# EAGLE board Mk4 Final Panel 6up 3x2 (EAGLE 9.0.1), part 4 of 18 (continued)
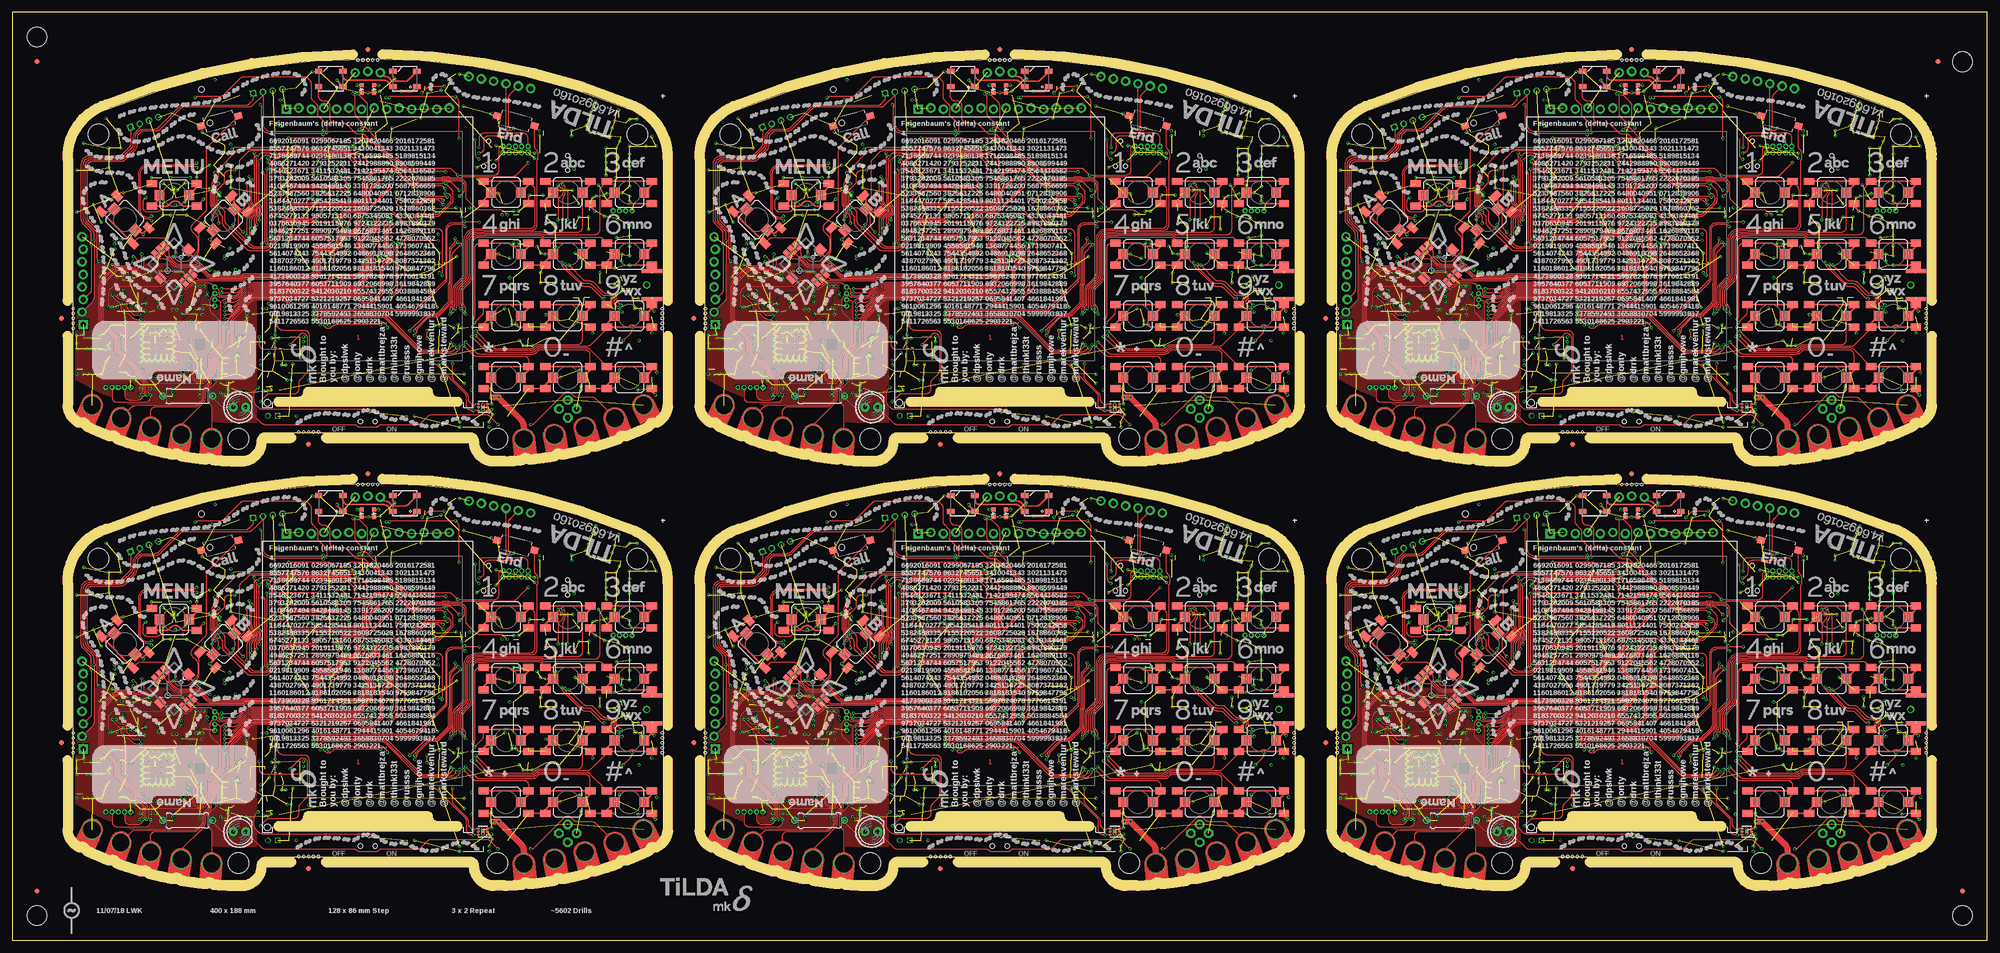
[diagram p0: board, top side]
## Nets (continued)
SDRAM_CKE3: IC55.37 IC56.104
SDRAM_CKE4: IC73.37 IC74.104
SDRAM_CKE6: IC109.37 IC110.104
SDRAM_CLK: IC1.62 IC2.38
SDRAM_CLK1: IC19.38 IC20.62
SDRAM_CLK2: IC37.38 IC38.62
SDRAM_CLK3: IC55.38 IC56.62
SDRAM_CLK4: IC73.38 IC74.62
SDRAM_CLK6: IC109.38 IC110.62
SDRAM_D1: IC19.53 IC20.78
SDRAM_D2: IC37.53 IC38.78
SDRAM_D3: IC55.53 IC56.78
SDRAM_D4: IC73.53 IC74.78
SDRAM_D6: IC109.53 IC110.78
SDRAM_D15: IC1.78 IC2.53
SDRAM_DQMH: IC1.82 IC2.39
SDRAM_DQMH1: IC19.39 IC20.82
SDRAM_DQMH2: IC37.39 IC38.82
SDRAM_DQMH3: IC55.39 IC56.82
SDRAM_DQMH4: IC73.39 IC74.82
SDRAM_DQMH6: IC109.39 IC110.82
SDRAM_DQML: IC1.81 IC2.15
SDRAM_DQML1: IC19.15 IC20.81
SDRAM_DQML2: IC37.15 IC38.81
SDRAM_DQML3: IC55.15 IC56.81
SDRAM_DQML4: IC73.15 IC74.81
SDRAM_DQML6: IC109.15 IC110.81
SIM_CLK: IC10.2 J1.C3 R27.2
SIM_CLK1: IC25.2 J14.C3 R109.2
SIM_CLK2: IC43.2 J24.C3 R187.2
SIM_CLK3: IC61.2 J34.C3 R265.2
SIM_CLK4: IC79.2 J44.C3 R343.2
SIM_CLK6: IC115.2 J64.C3 R499.2
SIM_CLK_R: C49.2 IC5.16 R27.1
SIM_CLK_R1: C156.2 IC21.16 R109.1
SIM_CLK_R2: C264.2 IC39.16 R187.1
SIM_CLK_R3: C372.2 IC57.16 R265.1
SIM_CLK_R4: C480.2 IC75.16 R343.1
SIM_CLK_R6: C696.2 IC111.16 R499.1
SIM_CTS: R34.1 TP4.TP
SIM_CTS1: R117.1 TP23.TP
SIM_CTS2: R195.1 TP42.TP
SIM_CTS3: R273.1 TP61.TP
SIM_CTS4: R351.1 TP80.TP
SIM_CTS6: R507.1 TP118.TP
SIM_CTS_R: IC5.4 R34.2
SIM_CTS_R1: IC21.4 R117.2
SIM_CTS_R2: IC39.4 R195.2
SIM_CTS_R3: IC57.4 R273.2
SIM_CTS_R4: IC75.4 R351.2
SIM_CTS_R6: IC111.4 R507.2
SIM_D_N [90R Diff]: IC5.26 JP9.2
SIM_D_N1 [90R Diff]: IC21.26 JP14.2
SIM_D_N2 [90R Diff]: IC39.26 JP23.2
SIM_D_N3 [90R Diff]: IC57.26 JP32.2
SIM_D_N4 [90R Diff]: IC75.26 JP41.2
SIM_D_N6 [90R Diff]: IC111.26 JP59.2
SIM_D_P [90R Diff]: IC5.25 JP9.3
SIM_D_P1 [90R Diff]: IC21.25 JP14.3
SIM_D_P2 [90R Diff]: IC39.25 JP23.3
SIM_D_P3 [90R Diff]: IC57.25 JP32.3
SIM_D_P4 [90R Diff]: IC75.25 JP41.3
SIM_D_P6 [90R Diff]: IC111.25 JP59.3
SIM_DATA: IC10.1 J1.C7 R26.2
SIM_DATA1: IC25.1 J14.C7 R108.2
SIM_DATA2: IC43.1 J24.C7 R186.2
SIM_DATA3: IC61.1 J34.C7 R264.2
SIM_DATA4: IC79.1 J44.C7 R342.2
SIM_DATA6: IC115.1 J64.C7 R498.2
SIM_DATA_R: C50.2 IC5.15 R26.1
SIM_DATA_R1: C157.2 IC21.15 R108.1
SIM_DATA_R2: C265.2 IC39.15 R186.1
SIM_DATA_R3: C373.2 IC57.15 R264.1
SIM_DATA_R4: C481.2 IC75.15 R342.1
SIM_DATA_R6: C697.2 IC111.15 R498.1
SIM_DCD: R33.1 TP3.TP
SIM_DCD1: R116.1 TP22.TP
SIM_DCD2: R194.1 TP41.TP
SIM_DCD3: R272.1 TP60.TP
SIM_DCD4: R350.1 TP79.TP
SIM_DCD6: R506.1 TP117.TP
SIM_DCD_R: IC5.5 R33.2
SIM_DCD_R1: IC21.5 R116.2
SIM_DCD_R2: IC39.5 R194.2
SIM_DCD_R3: IC57.5 R272.2
SIM_DCD_R4: IC75.5 R350.2
SIM_DCD_R6: IC111.5 R506.2
SIM_DET: IC5.14 J1.C8 R29.2
SIM_DET1: IC21.14 J14.C8 R111.2
SIM_DET2: IC39.14 J24.C8 R189.2
SIM_DET3: IC57.14 J34.C8 R267.2
SIM_DET4: IC75.14 J44.C8 R345.2
SIM_DET6: IC111.14 J64.C8 R501.2
SIM_DTR: R31.1 TP2.TP
SIM_DTR1: R113.1 TP21.TP
SIM_DTR2: R191.1 TP40.TP
SIM_DTR3: R269.1 TP59.TP
SIM_DTR4: R347.1 TP78.TP
SIM_DTR6: R503.1 TP116.TP
SIM_DTR_R: IC5.6 R31.2 R40.1
SIM_DTR_R1: IC21.6 R113.2 R122.1
SIM_DTR_R2: IC39.6 R191.2 R200.1
SIM_DTR_R3: IC57.6 R269.2 R278.1
SIM_DTR_R4: IC75.6 R347.2 R356.1
SIM_DTR_R6: IC111.6 R503.2 R512.1
SIM_NETLIGHT: IC1.108 R42.1 TP12.TP
SIM_NETLIGHT1: IC20.108 R124.1 TP31.TP
SIM_NETLIGHT2: IC38.108 R202.1 TP50.TP
SIM_NETLIGHT3: IC56.108 R280.1 TP69.TP
SIM_NETLIGHT4: IC74.108 R358.1 TP88.TP
SIM_NETLIGHT6: IC110.108 R514.1 TP126.TP
SIM_PWR_KEY: IC1.109 Q1.1 R30.1 TP13.TP
SIM_PWR_KEY1: IC20.109 Q6.1 R112.1 TP32.TP
SIM_PWR_KEY2: IC38.109 Q11.1 R190.1 TP51.TP
SIM_PWR_KEY3: IC56.109 Q15.1 R268.1 TP70.TP
SIM_PWR_KEY4: IC74.109 Q19.1 R346.1 TP89.TP
SIM_PWR_KEY6: IC110.109 Q27.1 R502.1 TP127.TP
SIM_RI: IC1.112 R32.1 TP10.TP
SIM_RI1: IC20.112 R115.1 TP29.TP
SIM_RI2: IC38.112 R193.1 TP48.TP
SIM_RI3: IC56.112 R271.1 TP67.TP
SIM_RI4: IC74.112 R349.1 TP86.TP
SIM_RI6: IC110.112 R505.1 TP124.TP
SIM_RI_R: IC5.7 R32.2
SIM_RI_R1: IC21.7 R115.2
SIM_RI_R2: IC39.7 R193.2
SIM_RI_R3: IC57.7 R271.2
SIM_RI_R4: IC75.7 R349.2
SIM_RI_R6: IC111.7 R505.2
SIM_RST: IC10.4 J1.C2 R28.2
SIM_RST1: IC25.4 J14.C2 R110.2
SIM_RST2: IC43.4 J24.C2 R188.2
SIM_RST3: IC61.4 J34.C2 R266.2
SIM_RST4: IC79.4 J44.C2 R344.2
SIM_RST6: IC115.4 J64.C2 R500.2
SIM_RST_R: C48.2 IC5.17 R28.1
SIM_RST_R1: C155.2 IC21.17 R110.1
SIM_RST_R2: C263.2 IC39.17 R188.1
SIM_RST_R3: C371.2 IC57.17 R266.1
SIM_RST_R4: C479.2 IC75.17 R344.1
SIM_RST_R6: C695.2 IC111.17 R500.1
SIM_RTS: R35.1 TP5.TP
SIM_RTS1: R118.1 TP24.TP
SIM_RTS2: R196.1 TP43.TP
SIM_RTS3: R274.1 TP62.TP
SIM_RTS4: R352.1 TP81.TP
SIM_RTS6: R508.1 TP119.TP
SIM_RTS_R: IC5.3 R35.2 R39.1
SIM_RTS_R1: IC21.3 R118.2 R121.1
SIM_RTS_R2: IC39.3 R196.2 R199.1
SIM_RTS_R3: IC57.3 R274.2 R277.1
SIM_RTS_R4: IC75.3 R352.2 R355.1
SIM_RTS_R6: IC111.3 R508.2 R511.1
SIM_RXD_R: IC5.2 R37.2 R38.1
SIM_RXD_R1: IC21.2 R114.1 R120.2
SIM_RXD_R2: IC39.2 R192.1 R198.2
SIM_RXD_R3: IC57.2 R270.1 R276.2
SIM_RXD_R4: IC75.2 R348.1 R354.2
SIM_RXD_R6: IC111.2 R504.1 R510.2
SIM_STATUS: IC1.107 R41.1 TP11.TP
SIM_STATUS1: IC20.107 R123.1 TP30.TP
SIM_STATUS2: IC38.107 R201.1 TP49.TP
SIM_STATUS3: IC56.107 R279.1 TP68.TP
SIM_STATUS4: IC74.107 R357.1 TP87.TP
SIM_STATUS6: IC110.107 R513.1 TP125.TP
SIM_STATUS_R: IC5.42 R41.2
SIM_STATUS_R1: IC21.42 R123.2
SIM_STATUS_R2: IC39.42 R201.2
SIM_STATUS_R3: IC57.42 R279.2
SIM_STATUS_R4: IC75.42 R357.2
SIM_STATUS_R6: IC111.42 R513.2
SIM_TXD_R: IC5.1 R36.2
SIM_TXD_R1: IC21.1 R119.2
SIM_TXD_R2: IC39.1 R197.2
SIM_TXD_R3: IC57.1 R275.2
SIM_TXD_R4: IC75.1 R353.2
SIM_TXD_R6: IC111.1 R509.2
SIM_VBUS: IC5.24 JP9.4
SIM_VBUS1: IC21.24 JP14.4
SIM_VBUS2: IC39.24 JP23.4
SIM_VBUS3: IC57.24 JP32.4
SIM_VBUS4: IC75.24 JP41.4
SIM_VBUS6: IC111.24 JP59.4
SIM_VDD: C51.2 IC5.18 IC10.5 J1.C1
SIM_VDD1: C158.2 IC21.18 IC25.5 J14.C1
SIM_VDD2: C266.2 IC39.18 IC43.5 J24.C1
SIM_VDD3: C374.2 IC57.18 IC61.5 J34.C1
SIM_VDD4: C482.2 IC75.18 IC79.5 J44.C1
SIM_VDD6: C698.2 IC111.18 IC115.5 J64.C1
SOP0: IC15.35 R64.1
SOP1: IC15.34 R63.1
SOP2: IC15.21 R62.1
SOP3: IC29.21 R140.1
SOP4: IC29.34 R141.1
SOP5: IC29.35 R142.1
SOP6: IC47.21 R218.1
SOP7: IC47.34 R219.1
SOP8: IC47.35 R220.1
SOP9: IC65.21 R296.1
SOP10: IC65.34 R297.1
SOP11: IC65.35 R298.1
SOP12: IC83.21 R374.1
SOP13: IC83.34 R375.1
SOP14: IC83.35 R376.1
SOP18: IC119.21 R530.1
SOP19: IC119.34 R531.1
SOP20: IC119.35 R532.1
SPK_AMP_N [Audio]: IC13.8 U5.-
SPK_AMP_N1 [Audio]: IC28.8 U6.-
SPK_AMP_N2 [Audio]: IC46.8 U9.-
SPK_AMP_N3 [Audio]: IC64.8 U12.-
SPK_AMP_N4 [Audio]: IC82.8 U15.-
SPK_AMP_N6 [Audio]: IC118.8 U21.-
SPK_AMP_P [Audio]: IC13.5 U5.+
SPK_AMP_P1 [Audio]: IC28.5 U6.+
SPK_AMP_P2 [Audio]: IC46.5 U9.+
SPK_AMP_P3 [Audio]: IC64.5 U12.+
SPK_AMP_P4 [Audio]: IC82.5 U15.+
SPK_AMP_P6 [Audio]: IC118.5 U21.+
SPK_N [Audio]: C64.2 C65.1 C67.1 C68.2 C82.2 IC5.12 R43.1
SPK_N1 [Audio]: C165.2 C166.1 C168.1 C169.2 C183.2 IC21.12 R125.1
SPK_N2 [Audio]: C273.2 C274.1 C276.1 C277.2 C291.2 IC39.12 R203.1
SPK_N3 [Audio]: C381.2 C382.1 C384.1 C385.2 C399.2 IC57.12 R281.1
SPK_N4 [Audio]: C489.2 C490.1 C492.1 C493.2 C507.2 IC75.12 R359.1
SPK_N6 [Audio]: C705.2 C706.1 C708.1 C709.2 C723.2 IC111.12 R515.1
SPK_P [Audio]: C64.1 C66.1 C68.1 C69.1 C83.2 IC5.11 R45.1
SPK_P1 [Audio]: C165.1 C167.1 C169.1 C170.1 C184.2 IC21.11 R126.1
SPK_P2 [Audio]: C273.1 C275.1 C277.1 C278.1 C292.2 IC39.11 R204.1
SPK_P3 [Audio]: C381.1 C383.1 C385.1 C386.1 C400.2 IC57.11 R282.1
SPK_P4 [Audio]: C489.1 C491.1 C493.1 C494.1 C508.2 IC75.11 R360.1
SPK_P6 [Audio]: C705.1 C707.1 C709.1 C710.1 C724.2 IC111.11 R516.1
SPK_R_N: IC11.5 R45.2 R46.1
SPK_R_N1: IC26.5 R126.2 R127.1
SPK_R_N2: IC44.5 R204.2 R205.1
SPK_R_N3: IC62.5 R282.2 R283.1
SPK_R_N4: IC80.5 R360.2 R361.1
SPK_R_N6: IC116.5 R516.2 R517.1
SPK_R_P: IC11.6 R43.2 R50.1 R51.1
SPK_R_P1: IC26.6 R125.2 R128.1 R129.1
SPK_R_P2: IC44.6 R203.2 R206.1 R207.1
SPK_R_P3: IC62.6 R281.2 R284.1 R285.1
SPK_R_P4: IC80.6 R359.2 R362.1 R363.1
SPK_R_P6: IC116.6 R515.2 R518.1 R519.1
SSI0_LCD_CLK: IC1.35 J2.37
SSI0_LCD_CLK1: IC20.35 J6.37
SSI0_LCD_CLK2: IC38.35 J21.37
SSI0_LCD_CLK3: IC56.35 J31.37
SSI0_LCD_CLK4: IC74.35 J41.37
SSI0_LCD_CLK6: IC110.35 J61.37
SSI0_LCD_CS: IC1.36 J2.38
SSI0_LCD_CS1: IC20.36 J6.38
SSI0_LCD_CS2: IC38.36 J21.38
SSI0_LCD_CS3: IC56.36 J31.38
SSI0_LCD_CS4: IC74.36 J41.38
SSI0_LCD_CS6: IC110.36 J61.38
SSI0_LCD_MISO: IC1.38 J2.33
SSI0_LCD_MISO1: IC20.38 J6.33
SSI0_LCD_MISO2: IC38.38 J21.33
SSI0_LCD_MISO3: IC56.38 J31.33
SSI0_LCD_MISO4: IC74.38 J41.33
SSI0_LCD_MISO6: IC110.38 J61.33
SSI0_LCD_MOSI: IC1.37 J2.34
SSI0_LCD_MOSI1: IC20.37 J6.34
SSI0_LCD_MOSI2: IC38.37 J21.34
SSI0_LCD_MOSI3: IC56.37 J31.34
SSI0_LCD_MOSI4: IC74.37 J41.34
SSI0_LCD_MOSI6: IC110.37 J61.34
SSI2_CC_!CS: IC1.3 IC15.8
SSI2_CC_!CS1: IC20.3 IC29.8
SSI2_CC_!CS2: IC38.3 IC47.8
SSI2_CC_!CS3: IC56.3 IC65.8
SSI2_CC_!CS4: IC74.3 IC83.8
SSI2_CC_!CS6: IC110.3 IC119.8
SSI2_CC_CLK: IC1.4 IC15.5
SSI2_CC_CLK1: IC20.4 IC29.5
SSI2_CC_CLK2: IC38.4 IC47.5
SSI2_CC_CLK3: IC56.4 IC65.5
SSI2_CC_CLK4: IC74.4 IC83.5
SSI2_CC_CLK6: IC110.4 IC119.5
SSI2_CC_MISO: IC1.1 IC15.7 R71.1
SSI2_CC_MISO1: IC20.1 IC29.7 R149.1
SSI2_CC_MISO2: IC38.1 IC47.7 R227.1
SSI2_CC_MISO3: IC56.1 IC65.7 R305.1
SSI2_CC_MISO4: IC74.1 IC83.7 R383.1
SSI2_CC_MISO6: IC110.1 IC119.7 R539.1
SSI2_CC_MOSI: IC1.2 IC15.6
SSI2_CC_MOSI1: IC20.2 IC29.6
SSI2_CC_MOSI2: IC38.2 IC47.6
SSI2_CC_MOSI3: IC56.2 IC65.6
SSI2_CC_MOSI4: IC74.2 IC83.6
SSI2_CC_MOSI6: IC110.2 IC119.6
SSI3_CLK: IC1.5 IC6.6
SSI3_CLK1: IC20.5 IC22.6
SSI3_CLK2: IC38.5 IC40.6
SSI3_CLK3: IC56.5 IC58.6
SSI3_CLK4: IC74.5 IC76.6
SSI3_CLK6: IC110.5 IC112.6
SSI3_DAT0: IC1.11 IC6.5
SSI3_DAT1: IC1.27 IC6.2
SSI3_DAT2: IC20.27 IC22.2
SSI3_DAT3: IC20.11 IC22.5
SSI3_DAT4: IC38.27 IC40.2
SSI3_DAT5: IC38.11 IC40.5
SSI3_DAT6: IC56.27 IC58.2
SSI3_DAT7: IC56.11 IC58.5
SSI3_DAT8: IC74.27 IC76.2
SSI3_DAT9: IC74.11 IC76.5
SSI3_DAT12: IC110.27 IC112.2
SSI3_DAT13: IC110.11 IC112.5
SSI3_FSS: IC1.6 IC6.1
SSI3_FSS1: IC20.6 IC22.1
SSI3_FSS2: IC38.6 IC40.1
SSI3_FSS3: IC56.6 IC58.1
SSI3_FSS4: IC74.6 IC76.1
SSI3_FSS6: IC110.6 IC112.1
SW: IC9.6 L4.1
SW1: IC33.6 L11.1
SW2: IC51.6 L20.1
SW3: IC69.6 L29.1
SW4: IC87.6 L38.1
SW6: IC123.6 L56.1
SWCLK: IC1.100 J3.4 JP4.4
SWCLK1: IC20.100 J13.4 JP10.4
SWCLK2: IC38.100 J23.4 JP19.4
SWCLK3: IC56.100 J33.4 JP28.4
SWCLK4: IC74.100 J43.4 JP37.4
SWCLK6: IC110.100 J63.4 JP55.4
SWDIO: IC1.99 J3.2 JP4.2
SWDIO1: IC20.99 J13.2 JP10.2
SWDIO2: IC38.99 J23.2 JP19.2
SWDIO3: IC56.99 J33.2 JP28.2
SWDIO4: IC74.99 J43.2 JP37.2
SWDIO6: IC110.99 J63.2 JP55.2
SWO: IC1.97 J3.6 JP4.6
SWO1: IC20.97 J13.6 JP10.6
SWO2: IC38.97 J23.6 JP19.6
SWO3: IC56.97 J33.6 JP28.6
SWO4: IC74.97 J43.6 JP37.6
SWO6: IC110.97 J63.6 JP55.6
T3CCPO_WS1: IC20.125 LED7.4
T3CCPO_WS2: IC38.125 LED13.4
T3CCPO_WS3: IC56.125 LED19.4
T3CCPO_WS4: IC74.125 LED25.4
T3CCPO_WS6: IC110.125 LED37.4
T3CCPO_WS2812: IC1.125 LED1.4
T4CCP0: IC1.127 JP6.4 PCB.CH2
T4CCP1: IC1.128 JP6.5 PCB.CH1
T4CCP2: IC20.127 JP17.4 PCB1.CH2
T4CCP3: IC20.128 JP17.5 PCB1.CH1
T4CCP4: IC38.127 JP26.4 PCB2.CH2
T4CCP5: IC38.128 JP26.5 PCB2.CH1
T4CCP6: IC56.127 JP35.4 PCB3.CH2
T4CCP7: IC56.128 JP35.5 PCB3.CH1
T4CCP8: IC74.127 JP44.4 PCB4.CH2
T4CCP9: IC74.128 JP44.5 PCB4.CH1
T4CCP12: IC110.127 JP62.4 PCB6.CH2
T4CCP13: IC110.128 JP62.5 PCB6.CH1
TCA_!INT: IC1.15 IC4.22 R76.1
TCA_!INT1: IC20.15 IC31.22 R152.1
TCA_!INT2: IC38.15 IC49.22 R230.1
TCA_!INT3: IC56.15 IC67.22 R308.1
TCA_!INT4: IC74.15 IC85.22 R386.1
TCA_!INT6: IC110.15 IC121.22 R542.1
TPS_FB: C103.2 IC9.2 R60.2 R61.1
TPS_FB1: C211.2 IC33.2 R138.2 R139.1
TPS_FB2: C319.2 IC51.2 R216.2 R217.1
TPS_FB3: C427.2 IC69.2 R294.2 R295.1
TPS_FB4: C535.2 IC87.2 R372.2 R373.1
TPS_FB6: C751.2 IC123.2 R528.2 R529.1
UART0_CON_RX: IC1.33 JP8.4
UART0_CON_RX1: IC20.33 JP18.4
UART0_CON_RX2: IC38.33 JP27.4
UART0_CON_RX3: IC56.33 JP36.4
UART0_CON_RX4: IC74.33 JP45.4
UART0_CON_RX6: IC110.33 JP63.4
UART0_CON_TX: IC1.34 JP8.5
UART0_CON_TX1: IC20.34 JP18.5
UART0_CON_TX2: IC38.34 JP27.5
UART0_CON_TX3: IC56.34 JP36.5
UART0_CON_TX4: IC74.34 JP45.5
UART0_CON_TX6: IC110.34 JP63.5
UART1_SIM_RX: IC1.118 R36.1 TP9.TP
UART1_SIM_RX1: IC20.118 R119.1 TP28.TP
UART1_SIM_RX2: IC38.118 R197.1 TP47.TP
UART1_SIM_RX3: IC56.118 R275.1 TP66.TP
UART1_SIM_RX4: IC74.118 R353.1 TP85.TP
UART1_SIM_RX6: IC110.118 R509.1 TP123.TP
UART1_SIM_TX: IC1.119 R37.1 TP8.TP
UART1_SIM_TX1: IC20.119 R120.1 TP27.TP
UART1_SIM_TX2: IC38.119 R198.1 TP46.TP
UART1_SIM_TX3: IC56.119 R276.1 TP65.TP
UART1_SIM_TX4: IC74.119 R354.1 TP84.TP
UART1_SIM_TX6: IC110.119 R510.1 TP122.TP
UART3_CC_RX: IC1.116 IC15.55 JP5.3 R68.1
UART3_CC_RX1: IC20.116 IC29.55 JP16.3 R146.1
UART3_CC_RX2: IC38.116 IC47.55 JP25.3 R224.1
UART3_CC_RX3: IC56.116 IC65.55 JP34.3 R302.1
UART3_CC_RX4: IC74.116 IC83.55 JP43.3 R380.1
UART3_CC_RX6: IC110.116 IC119.55 JP61.3 R536.1
UART3_CC_TX: IC1.117 IC15.57 JP5.2 R69.1
UART3_CC_TX1: IC20.117 IC29.57 JP16.2 R147.1
UART3_CC_TX2: IC38.117 IC47.57 JP25.2 R225.1
UART3_CC_TX3: IC56.117 IC65.57 JP34.2 R303.1
UART3_CC_TX4: IC74.117 IC83.57 JP43.2 R381.1
UART3_CC_TX6: IC110.117 IC119.57 JP61.2 R537.1
UART4_EXT_RX: IC1.18 J10.1 J10.5 JP6.3 PCB.CH3
UART4_EXT_RX1: IC20.18 J16.1 J16.5 JP17.3 PCB1.CH3
UART4_EXT_RX2: IC38.18 J26.1 J26.5 JP26.3 PCB2.CH3
UART4_EXT_RX3: IC56.18 J36.1 J36.5 JP35.3 PCB3.CH3
UART4_EXT_RX4: IC74.18 J46.1 J46.5 JP44.3 PCB4.CH3
UART4_EXT_RX6: IC110.18 J66.1 J66.5 JP62.3 PCB6.CH3
UART4_EXT_TX: IC1.19 J10.2 J10.6 JP6.2 PCB.CH4
UART4_EXT_TX1: IC20.19 J16.2 J16.6 JP17.2 PCB1.CH4
UART4_EXT_TX2: IC38.19 J26.2 J26.6 JP26.2 PCB2.CH4
UART4_EXT_TX3: IC56.19 J36.2 J36.6 JP35.2 PCB3.CH4
UART4_EXT_TX4: IC74.19 J46.2 J46.6 JP44.2 PCB4.CH4
UART4_EXT_TX6: IC110.19 J66.2 J66.6 JP62.2 PCB6.CH4
USB_D_N [90R Diff]: IC1.93 IC7.1 U1.D-
USB_D_N1 [90R Diff]: IC20.93 IC23.1 U2.D-
USB_D_N2 [90R Diff]: IC38.93 IC41.1 U7.D-
USB_D_N3 [90R Diff]: IC56.93 IC59.1 U10.D-
USB_D_N4 [90R Diff]: IC74.93 IC77.1 U13.D-
USB_D_N6 [90R Diff]: IC110.93 IC113.1 U19.D-
USB_D_P [90R Diff]: IC1.94 IC7.2 U1.D+
USB_D_P1 [90R Diff]: IC20.94 IC23.2 U2.D+
USB_D_P2 [90R Diff]: IC38.94 IC41.2 U7.D+
USB_D_P3 [90R Diff]: IC56.94 IC59.2 U10.D+
USB_D_P4 [90R Diff]: IC74.94 IC77.2 U13.D+
USB_D_P6 [90R Diff]: IC110.94 IC113.2 U19.D+
USB_ID: R8.2 TP6.TP
USB_ID1: R92.2 TP25.TP
USB_ID2: R170.2 TP44.TP
USB_ID3: R248.2 TP63.TP
USB_ID4: R326.2 TP82.TP
USB_ID6: R482.2 TP120.TP
USB_ID_R: IC7.4 R8.1 U1.ID
USB_ID_R1: IC23.4 R92.1 U2.ID
USB_ID_R2: IC41.4 R170.1 U7.ID
USB_ID_R3: IC59.4 R248.1 U10.ID
USB_ID_R4: IC77.4 R326.1 U13.ID
USB_ID_R6: IC113.4 R482.1 U19.ID
USB_SHIELD: C20.2 R7.1 U1.SHIELD U1.SHIELD@0 U1.SHIELD@1 U1.SHIELD@2 U1.SHIELD@3 U1.SHIELD@5
USB_SHIELD1: C130.2 R91.1 U2.SHIELD U2.SHIELD@0 U2.SHIELD@1 U2.SHIELD@2 U2.SHIELD@3 U2.SHIELD@5
USB_SHIELD2: C238.2 R169.1 U7.SHIELD U7.SHIELD@0 U7.SHIELD@1 U7.SHIELD@2 U7.SHIELD@3 U7.SHIELD@5
USB_SHIELD3: C346.2 R247.1 U10.SHIELD U10.SHIELD@0 U10.SHIELD@1 U10.SHIELD@2 U10.SHIELD@3 U10.SHIELD@5
USB_SHIELD4: C454.2 R325.1 U13.SHIELD U13.SHIELD@0 U13.SHIELD@1 U13.SHIELD@2 U13.SHIELD@3 U13.SHIELD@5
USB_SHIELD6: C670.2 R481.1 U19.SHIELD U19.SHIELD@0 U19.SHIELD@1 U19.SHIELD@2 U19.SHIELD@3 U19.SHIELD@5
V_UNREG: C40.1 IC8.15 IC8.16 L1.2 PCB.VBATT Q3.5 Q3.6 Q3.7 Q3.8 Q3.EP R13.2 R18.2 TP18.TP
V_UNREG1: C151.1 IC24.15 IC24.16 L12.2 PCB1.VBATT Q7.5 Q7.6 Q7.7 Q7.8 Q7.EP R96.2 R100.2 TP37.TP
V_UNREG2: C259.1 IC42.15 IC42.16 L21.2 PCB2.VBATT Q12.5 Q12.6 Q12.7 Q12.8 Q12.EP R174.2 R178.2 TP56.TP
V_UNREG3: C367.1 IC60.15 IC60.16 L30.2 PCB3.VBATT Q16.5 Q16.6 Q16.7 Q16.8 Q16.EP R252.2 R256.2 TP75.TP
V_UNREG4: C475.1 IC78.15 IC78.16 L39.2 PCB4.VBATT Q20.5 Q20.6 Q20.7 Q20.8 Q20.EP R330.2 R334.2 TP94.TP
V_UNREG6: C691.1 IC114.15 IC114.16 L57.2 PCB6.VBATT Q28.5 Q28.6 Q28.7 Q28.8 Q28.EP R486.2 R490.2 TP132.TP
VBAT: C34.1 C35.1 IC8.13 IC8.14 J5.2 TP14.TP
VBAT1: C146.1 C147.1 IC24.13 IC24.14 J12.2 TP33.TP
VBAT2: C254.1 C255.1 IC42.13 IC42.14 J22.2 TP52.TP
VBAT3: C362.1 C363.1 IC60.13 IC60.14 J32.2 TP71.TP
VBAT4: C470.1 C471.1 IC78.13 IC78.14 J42.2 TP90.TP
VBAT6: C686.1 C687.1 IC114.13 IC114.14 J62.2 TP128.TP
VBATT: C1.1 C29.+ C30.2 C31.2 C32.+ C46.1 D1.C IC5.34 IC5.35 IC9.1 IC9.7 JP2.2 LED1.1 LED2.1 Q3.1 Q3.2 Q3.3 TP15.TP
VBATT1: C111.1 C139.+ C140.2 C141.2 C142.+ C144.1 D3.C IC21.34 IC21.35 IC33.1 IC33.7 JP11.2 LED7.1 LED8.1 Q7.1 Q7.2 Q7.3 TP34.TP
VBATT2: C219.1 C247.+ C248.2 C249.2 C250.+ C252.1 D5.C IC39.34 IC39.35 IC51.1 IC51.7 JP20.2 LED13.1 LED14.1 Q12.1 Q12.2 Q12.3 TP53.TP
VBATT3: C327.1 C355.+ C356.2 C357.2 C358.+ C360.1 D7.C IC57.34 IC57.35 IC69.1 IC69.7 JP29.2 LED19.1 LED20.1 Q16.1 Q16.2 Q16.3 TP72.TP
VBATT4: C435.1 C463.+ C464.2 C465.2 C466.+ C468.1 D9.C IC75.34 IC75.35 IC87.1 IC87.7 JP38.2 LED25.1 LED26.1 Q20.1 Q20.2 Q20.3 TP91.TP
VBATT6: C651.1 C679.+ C680.2 C681.2 C682.+ C684.1 D13.C IC111.34 IC111.35 IC123.1 IC123.7 JP56.2 LED37.1 LED38.1 Q28.1 Q28.2 Q28.3 TP129.TP
VBUS: C41.1 IC1.96 IC7.5 IC8.1 IC8.24 L2.2 LED6.A TP7.TP
VBUS1: C152.1 IC20.96 IC23.5 IC24.1 IC24.24 L10.2 LED12.A TP26.TP
VBUS2: C260.1 IC38.96 IC41.5 IC42.1 IC42.24 L19.2 LED18.A TP45.TP
VBUS3: C368.1 IC56.96 IC59.5 IC60.1 IC60.24 L28.2 LED24.A TP64.TP
VBUS4: C476.1 IC74.96 IC77.5 IC78.1 IC78.24 L37.2 LED30.A TP83.TP
VBUS6: C692.1 IC110.96 IC113.5 IC114.1 IC114.24 L55.2 LED42.A TP121.TP
VBUS_L: L2.1 U1.VBUS
VBUS_L1: L10.1 U2.VBUS
VBUS_L2: L19.1 U7.VBUS
VBUS_L3: L28.1 U10.VBUS
VBUS_L4: L37.1 U13.VBUS
VBUS_L6: L55.1 U19.VBUS
VDD_ANA: C44.1 C61.1 C62.1 C63.1 IC15.25 IC15.36 IC15.48 L7.1
VDD_ANA1: C188.1 C189.1 C190.1 C191.1 IC29.25 IC29.36 IC29.48 L16.1
VDD_ANA2: C296.1 C297.1 C298.1 C299.1 IC47.25 IC47.36 IC47.48 L25.1
VDD_ANA3: C404.1 C405.1 C406.1 C407.1 IC65.25 IC65.36 IC65.48 L34.1
VDD_ANA4: C512.1 C513.1 C514.1 C515.1 IC83.25 IC83.36 IC83.48 L43.1
VDD_ANA6: C728.1 C729.1 C730.1 C731.1 IC119.25 IC119.36 IC119.48 L61.1
VDD_DIG_CC: C87.1 C96.1 C97.1 IC15.9 IC15.56 L9.1
VDD_DIG_CC1: C195.1 C204.1 C205.1 IC29.9 IC29.56 L18.1
VDD_DIG_CC2: C303.1 C312.1 C313.1 IC47.9 IC47.56 L27.1
VDD_DIG_CC3: C411.1 C420.1 C421.1 IC65.9 IC65.56 L36.1
VDD_DIG_CC4: C519.1 C528.1 C529.1 IC83.9 IC83.56 L45.1
VDD_DIG_CC6: C735.1 C744.1 C745.1 IC119.9 IC119.56 L63.1
VDD_EXT: IC5.40 R29.1
VDD_EXT1: IC21.40 R111.1
VDD_EXT2: IC39.40 R189.1
VDD_EXT3: IC57.40 R267.1
VDD_EXT4: IC75.40 R345.1
VDD_EXT6: IC111.40 R501.1
VDD_PA: C84.1 C85.1 C86.1 IC15.33 IC15.42
VDD_PA1: C192.1 C193.1 C194.1 IC29.33 IC29.42
VDD_PA2: C300.1 C301.1 C302.1 IC47.33 IC47.42
VDD_PA3: C408.1 C409.1 C410.1 IC65.33 IC65.42
VDD_PA4: C516.1 C517.1 C518.1 IC83.33 IC83.42
VDD_PA6: C732.1 C733.1 C734.1 IC119.33 IC119.42
VDD_PLL: C94.1 IC15.24
VDD_PLL1: C202.1 IC29.24
VDD_PLL2: C310.1 IC47.24
VDD_PLL3: C418.1 IC65.24
VDD_PLL4: C526.1 IC83.24
VDD_PLL6: C742.1 IC119.24
VDD_RAM: C95.1 IC15.49
VDD_RAM1: C203.1 IC29.49
VDD_RAM2: C311.1 IC47.49
VDD_RAM3: C419.1 IC65.49
VDD_RAM4: C527.1 IC83.49
VDD_RAM6: C743.1 IC119.49
VDDC: C6.2 C7.2 C8.2 IC1.87 IC1.115
VDDC1: C116.2 C117.2 C118.2 IC20.87 IC20.115
VDDC2: C224.2 C225.2 C226.2 IC38.87 IC38.115
VDDC3: C332.2 C333.2 C334.2 IC56.87 IC56.115
VDDC4: C440.2 C441.2 C442.2 IC74.87 IC74.115
VDDC6: C656.2 C657.2 C658.2 IC110.87 IC110.115
WFIF_ANT_L [50R Single]: ANT1.1 C77.2 L6.2
WFIF_ANT_L1 [50R Single]: ANT3.1 C178.2 L15.2
WFIF_ANT_L2 [50R Single]: ANT5.1 C286.2 L24.2
WFIF_ANT_L3 [50R Single]: ANT7.1 C394.2 L33.2
WFIF_ANT_L4 [50R Single]: ANT9.1 C502.2 L42.2
WFIF_ANT_L6 [50R Single]: ANT13.1 C718.2 L60.2
WIFI_ANT [50R Single]: C76.2 FL1.OUT L6.1
WIFI_ANT1 [50R Single]: C177.2 FL2.OUT L15.1
WIFI_ANT2 [50R Single]: C285.2 FL3.OUT L24.1
WIFI_ANT3 [50R Single]: C393.2 FL4.OUT L33.1
WIFI_ANT4 [50R Single]: C501.2 FL5.OUT L42.1
WIFI_ANT6 [50R Single]: C717.2 FL7.OUT L60.1
WIFI_ANT_F [50R Single]: FL1.IN IC15.31
WIFI_ANT_F1 [50R Single]: FL2.IN IC29.31
WIFI_ANT_F2 [50R Single]: FL3.IN IC47.31
WIFI_ANT_F3 [50R Single]: FL4.IN IC65.31
WIFI_ANT_F4 [50R Single]: FL5.IN IC83.31
WIFI_ANT_F6 [50R Single]: FL7.IN IC119.31
WS2812_OUT: JP2.3 LED2.2
WS2812_OUT1: JP11.3 LED8.2
WS2812_OUT2: JP20.3 LED14.2
WS2812_OUT3: JP29.3 LED20.2
WS2812_OUT4: JP38.3 LED26.2
WS2812_OUT6: JP56.3 LED38.2
WS28212_1: LED1.2 LED2.4
WS28212_2: LED7.2 LED8.4
WS28212_3: LED13.2 LED14.4
WS28212_4: LED19.2 LED20.4
WS28212_5: LED25.2 LED26.4
WS28212_7: LED37.2 LED38.4
XOSC0: C18.2 IC1.66 X1.P$1
XOSC1: C19.2 IC1.67 X1.P$2
XOSC2: C128.2 IC20.66 X5.P$1
XOSC3: C129.2 IC20.67 X5.P$2
XOSC4: C236.2 IC38.66 X9.P$1
XOSC5: C237.2 IC38.67 X9.P$2
XOSC6: C344.2 IC56.66 X13.P$1
XOSC7: C345.2 IC56.67 X13.P$2
XOSC8: C452.2 IC74.66 X17.P$1
XOSC9: C453.2 IC74.67 X17.P$2
XOSC12: C668.2 IC110.66 X25.P$1
XOSC13: C669.2 IC110.67 X25.P$2

## Tracks (layer width: path | path; a pad name or v marks a point on that pad's centre or on a via)
3V1  (via drill 0.3)  (79 unrouted)
  Top 0.2: IC34.1 224.69,21.35 arc45 v225.05,21.5
  Top 0.3: SW2.COM 163.58,48.17 v162.5,49.25
  Bottom 0.15: v214.5,30.75 C210.1 214,31.5 arc-90 213.5,32 213.5,32.16 arc-90 IC32.5
  Bottom 0.2: IC20.9 203,55.75 C123.2 | IC20.8 203.4,58.19 arc-45 203.55,58.55 v203.75,58.75 203.8,58.7 IC20.7 | IC20.16 200.2,56.01 arc45 200.35,55.65 C122.2 v200.5,54.75 | IC20.47 191.46,64.4 arc45 C120.2 | IC20.113 208.14,64.8 arc45 208.84,65.09 C119.2 | IC20.79 199.4,73.44 arc45 199.11,74.14 C121.2 | IC20.69 195.4,71.86 arc-45 v195.25,71.5 195.15,71.6 arc-45 195,71.96 IC20.68 | 160.75,39.28 IC29.47 | IC20.90 203.8,71.55 v203.75,71.5 | IC20.51 v191,66 191.11,66.11 arc-45 191.81,66.4 IC20.52 | IC20.39 v193.5,61.2 | IC20.28 195.4,56.35 arc90 v195.75,56 arc90 196.2,56.45 IC20.26 | R93.1 v207.5,57.5 | IC20.122 206.62,61.2 arc-45 v206.5,61.25 | v225.05,21.5 C212.1 | IC20.101 208.95,69.6 v209.1,69.45 | R106.2 v212.75,59 | R105.2 213.07,61.32 arc-45 v213.5,61.5 | R144.1 148.5,51.5 arc-45 v148.25,50.9
  Bottom 0.25: J6.41 192.25,50 | J6.40 192.75,49.29 arc45 192.6,49.65 192.25,50 | J6.42 191.75,49.29 arc-45 191.9,49.65 192.25,50 | J6.35 v195.25,47.5 | J6.1 v212.25,47.5 | J6.8 v208.75,50 | J6.7 209.25,49.5 v208.75,50 | J6.9 208.25,49.5 v208.75,50 | C123.2 203.25,54.12 C124.2 203.5,53.62 v203.5,52.75 | v190,64.1 C120.2 | v210.25,65.75 C119.2 | v199,75 C121.2 | R88.2 v199,78 | R89.2 v190,72.25 | C197.1 160.16,40.5 arc45 159.46,40.21 arc45 159.25,39.71 IC29.44 | IC29.39 156.75,41.55 C198.1 | IC29.37 155.75,41.35 C196.1 | C199.1 v156,28.25 156.46,28.71 arc45 156.75,29.41 IC29.10 | C200.1 v164,35.5 163.9,35.6 arc45 163.54,35.75 IC29.54 | IC31.21 C131.2 | v214,42.3 R152.2 | JP12.8 202.35,83.71 arc45 202.5,84.06 C113.2 | IC28.6 161.12,63.02 v161.05,62.95 C185.1
  Bottom 0.3: 161.22,39.75 160.75,39.28 | R151.2 v149.25,42.25 | JP10.1 225.63,74.63 v226,75 | IC27.14 234.81,71.44 R134.2 C172.2 v233.75,72.5 | IC22.8 209.35,58.15 C112.2 v209.25,59 | R94.1 v218,52.5 | C138.2 182.43,54.25 IC19.27 182.33,54.25 v181.25,54.25 | v172.25,66.5 arc-45 171.77,66.3 IC19.43 169.8,66.3 C134.2 | v172.25,71 172.15,71.1 IC19.49 169.85,71.1 C137.2 | v181.25,73.5 IC19.3 C132.2 | v181.25,75.25 181.4,75.1 IC19.1 183.65,75.1 C136.2 | v181.25,68.75 181.3,68.7 IC19.9 183.7,68.7 C133.2 | v181.25,64.75 181.3,64.7 IC19.14 183.7,64.7 C135.2 | C153.2 v166,46.5 | C153.2 166.75,47 v166.75,46.5 | C153.2 165.25,47 v165.25,46.5 | v219,61.5 R128.2 | C211.1 R138.1 | R104.2 R103.2 v185.3,60.75 | C196.1 v154.85,41.5 | C114.2 208.89,80.61 JP12.11 | v220.6,62.45 C171.2 220.03,62.73 IC26.8 | J16.7 J16.3 | J18.7 J18.3 | IC35.5 C215.1 v218.6,19
  Bottom 0.4: 161.22,39.75 162.19,39.75 arc45 162.89,40.04 C201.1 163.6,41.39 arc-45 163.75,41.75 v164,42 | v161.25,41.75 161.25,41.66 arc-45 160.96,40.96 160.7,40.7 C197.1 160.5,40.7 v160.5,41.75 | C198.1 157.1,41.7 v157.65,42.25 | v166.25,31.75 R146.2 | v166.25,29.75 R147.2 | v156,48.15 156.5,48.15 arc90 157.5,49.15 C186.2 157.5,49.53 arc45 157.21,50.24 IC30.8 | R145.2 v152.25,49.25 | v214.5,38.5 C131.2 | v168.95,27.6 R138.1 | C154.2 v160.5,25 | C154.2 161,25.75 v160.5,25.75 | C154.2 161,24.25 v160.5,24.25 | IC36.1 227.05,22 C216.1 225.96,22 arc45 225.26,21.71 v225.05,21.5 | TP35.TP 173.55,33.95 v173.55,32.65
  Bottom 0.5: C115.2 217.14,82 JP12.14
  other vias: 192.5,53.25 173.15,32.15 173.95,32.15 174.3,36.35 174,35.35 173.7,35.95
  pour 3V3@2 (isolate 0.254, rank 6): 140.2,74.5 140.2,21 arc31 172,12 174.7,12 arc90 177.5,14.8 arc-90 179.5,16.8 220.5,16.8 arc-90 222.5,14.8 arc90 225.3,12 228,12 arc31 259.8,21 259.8,44.5 253.5,44.5 253.5,74.5 259.8,74.5 arc64 253.25,82.25 arc24 200,92.5 arc24 146.75,82.25 arc55
  pour Bottom (no thermals): 192.25,52 192.25,53.3 192.45,53.5 192.8,53.5 193,53.3 193,51.75 192.5,51.25 192.5,49.75 192,49.75 192,51.75
  pour Bottom (no thermals): 176.3,27.65 174.75,27.65 174.35,28.05 arc45 173.99,28.2 172.85,28.2 172.85,35.39 arc-45 173,35.75 173.85,36.6 arc-45 174.21,36.75 174.25,36.75 arc-90 174.75,36.25 174.75,36.11 arc-45 174.6,35.75 174.45,35.6 arc45 174.3,35.24 174.3,29.4 arc90 174.8,28.9 175.8,28.9 arc-90 176.3,28.4
  pour Top: 164.35,46.85 162.65,45.15 arc-45 162.29,45 156.41,45 arc45 155.71,44.71 154.79,43.79 arc45 154.5,43.09 154.5,40 arc90 155.5,39 161.09,39 arc45 161.79,39.29 165.71,43.21 arc45 166,43.91 166,44.29 arc-45 166.15,44.65 167.35,45.85 arc45 167.5,46.21 167.5,46.5 arc90 167,47 164.71,47 arc45
3V2  (via drill 0.3)  (79 unrouted)
  Top 0.2: IC52.1 96.69,107.35 arc45 v97.05,107.5
  Top 0.3: SW3.COM 35.58,134.17 v34.5,135.25